# Altium PCB 1datalogger.PcbDoc (continued)
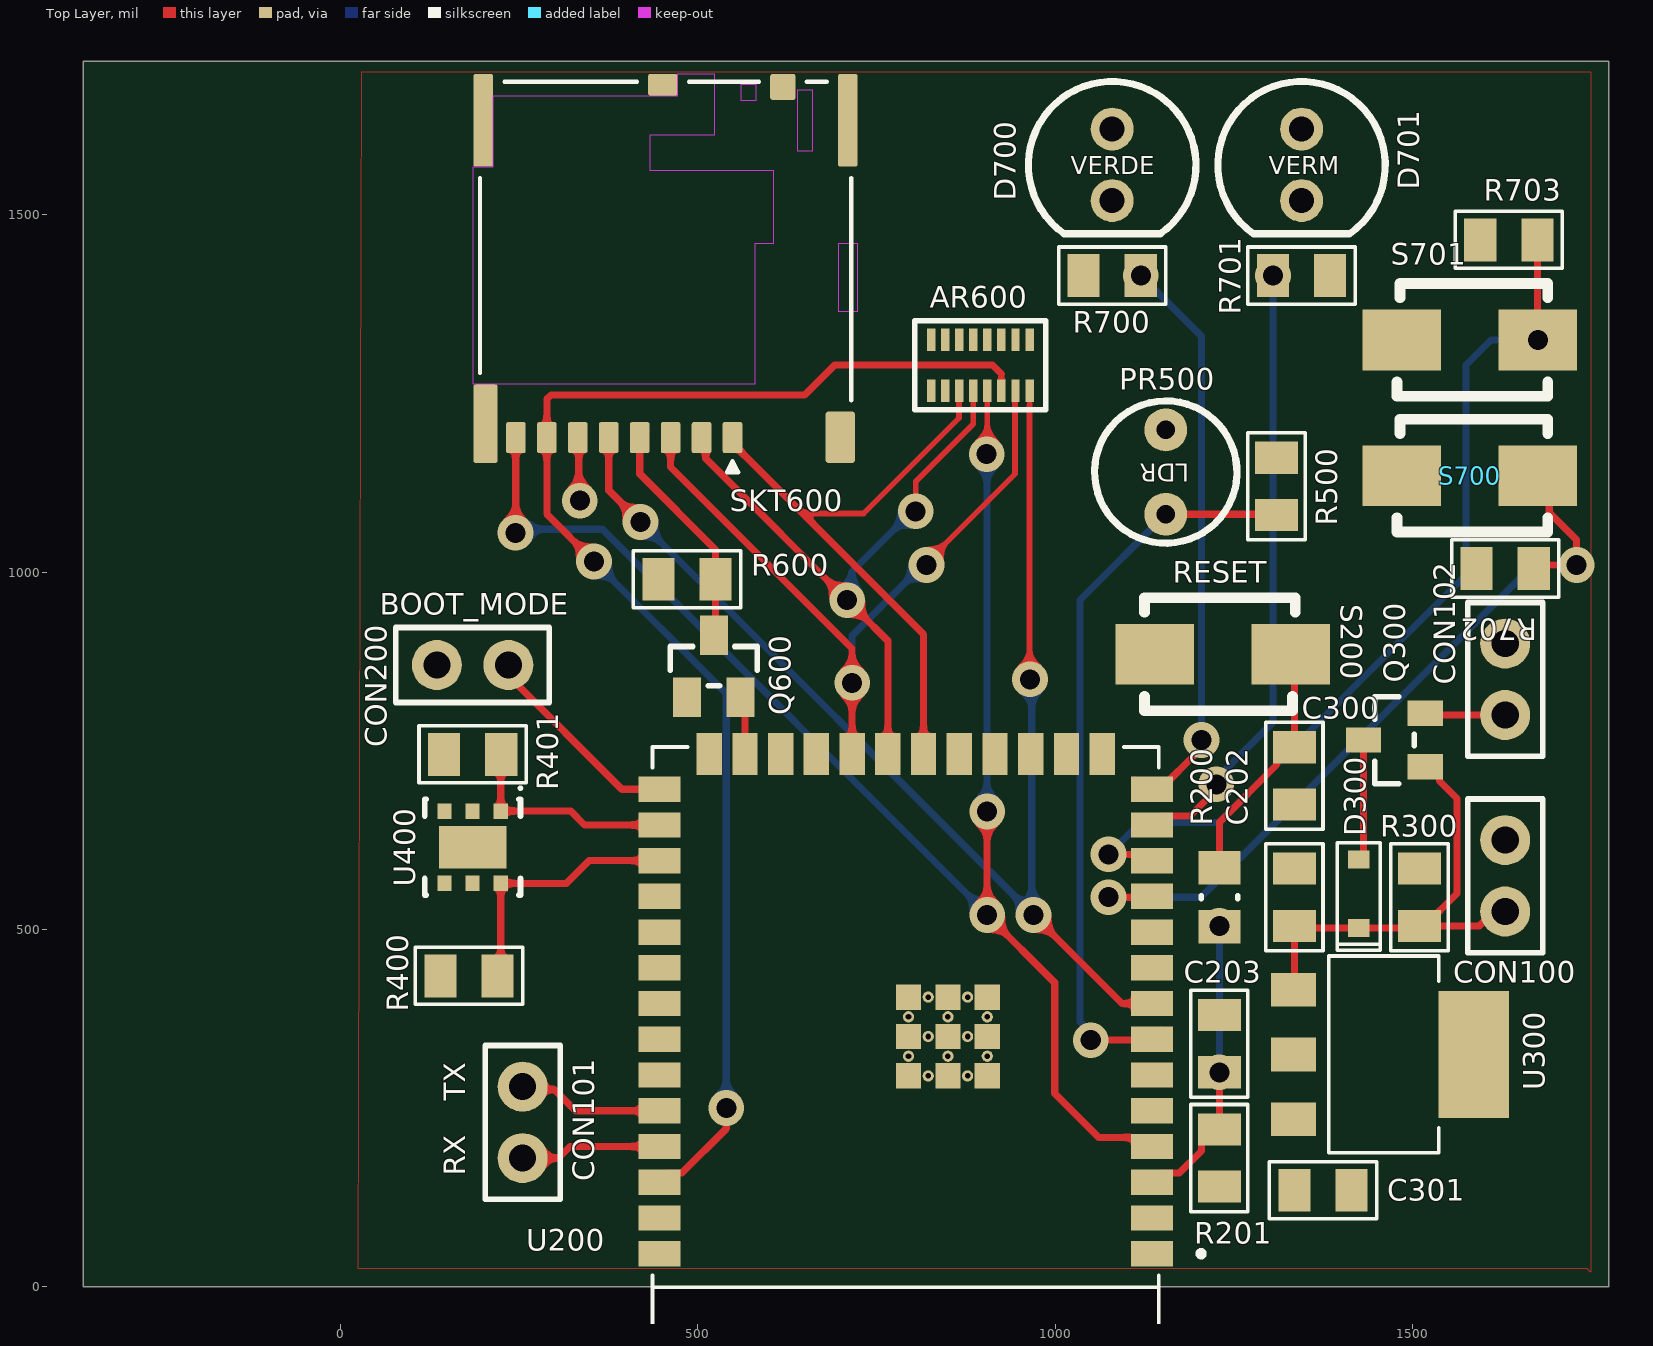
[diagram p0: Top Layer view]
## Part data (continued)
D700: library part CMP-008-000002-1, Color=Green, Current - Test=2mA, Manufacturer="Lite-On Inc.", Manufacturer Part Number=LTL2R3KGD-EM, Millicandela Rating=38mcd, Package / Case=Radial, Supplier Device Package="T-1 3/4", Voltage - Forward (Vf) (Typ)=1.8V, Category=Optoelectronics, ComponentLink1Description=http://media.digikey.com/pdf/Data%20Sheets/Lite-On%20PDFs/LTL2R3KGD-EM%20Preliminary.pdf, ComponentLink1URL=http://media.digikey.com/pdf/Data%20Sheets/Lite-On%20PDFs/LTL2R3KGD-EM%20Preliminary.pdf, Design Item ID="LED GRN DIFF 5MM ROUND T/H", Features=-, Height (Max)=8.70mm, Lens Color=Green, Lens Style/Size="Round with Domed Top, 5.00mm", Lens Transparency=Diffused, Mounting Type="Through Hole", Packaging=Bulk, Part Status=Active, Pricing 1="1=0.33, 10=0.24, 25=0.1772, 100=0.1265, 250=0.08604, 500=0.0759, 1000=0.05946, 2500=0.05819, 5000=0.0506 (USD)", RoHS="RoHS Compliant", Size / Dimension=-, Source=mits.SchLib, Stock 1=9370, Viewing Angle=30°, Wavelength - Dominant=570nm, Wavelength - Peak=568nm
D701: library part CMP-008-000003-1, "LED RED DIFFUSED T-1 3/4 T/H", Case/Package=Radial, Color=Red, Current=60mA, Current - Test=10mA, Forward Current=30mA, Forward Voltage=2V, Manufacturer="Lite-On Inc.", Manufacturer Part Number=LTL-4223, Max Operating Temperature=100°C, Max Power Dissipation=100mW, Millicandela Rating=19mcd, Min Operating Temperature=-55°C, Package Quantity=1000, Reverse Voltage=5V, Supplier Device Package="T-1 3/4", Voltage=3V, Category=Optoelectronics, ComponentLink1Description=http://media.digikey.com/pdf/Data%20Sheets/Lite-On%20PDFs/LTL-4223.pdf, ComponentLink1URL=http://media.digikey.com/pdf/Data%20Sheets/Lite-On%20PDFs/LTL-4223.pdf, ComponentLink2Description=https://datasheet.ciiva.com/2112/ltl-4223-2112280.pdf?src-supplier=Digi-Key, ComponentLink2URL=https://datasheet.ciiva.com/2112/ltl-4223-2112280.pdf?src-supplier=Digi-Key, ComponentLink3Description=https://datasheet.ciiva.com/16205/lite-on20ltl-4223-16205594.pdf?src-supplier=Future+Electronics, ComponentLink3URL=https://datasheet.ciiva.com/16205/lite-on20ltl-4223-16205594.pdf?src-supplier=Future+Electronics, ComponentLink4Description=https://datasheet.ciiva.com/19482/697602-19482428.pdf?src-supplier=Jameco, ComponentLink4URL=https://datasheet.ciiva.com/19482/697602-19482428.pdf?src-supplier=Jameco, Depth=5.6mm, Design Item ID="LED RED DIFF 5MM ROUND T/H", Diameter=5mm, Dominant Wavelength=623nm, Features=-, Height=8.6mm, Height (Max)=8.60mm, Illumination Color=Red, Lead Free="Lead Free", Length=5.6mm, Lens Color=Red, Lens Style=Dome,Diffused,Colored,Circular, Lens Style/Size="Round with Domed Top, 5mm (T-1 3/4), 5.00mm", Lens Transparency=Diffused, Luminous Intensity=19mcd, Mount="Through Hole", Mounting Type="Through Hole", Number of Elements=1, Number of LEDs=1, Number of Pins=2, Package / Case=Radial, Packaging=Bulk, Part Status=Active, Power Dissipation=100mW, Power Rating=100mW, Pricing 1="1=0.36, 10=0.262, 25=0.1932, 100=0.138, 250=0.09384, 500=0.0828, 1000=0.06486, 2500=0.06348, 5000=0.0552 (USD)", Pricing 2="1=0,12000, 10=0,08000, 100=0,07100, 1000=0,06400, 2500=0,05600, 10000=0,05000 (USD)", Radiation Hardening=No, RoHS="RoHS Compliant", Size / Dimension=-, Source=mits.SchLib, Stock 1=32305, Stock 2=9769, Test Current=10mA, Viewing Angle=36°, Voltage - Forward (Vf) (Typ)=2V, Wavelength=635nm, Wavelength - Dominant=623nm, Wavelength - Peak=635nm, Width=5.6mm
PR500: library part CMP-017-000003-1, "THROUGH HOLE PHOTORESISTORS ROHS", Manufacturer 1="JCHL(Shenzhen Jing Chuang He Li Tech)", Manufacturer Part Number 1=GL5506(4-7K), Design Item ID="LDR GL5506(4-7K) SMD", Source=mits.SchLib
Q300: "P-Channel 30 V 530 mA 1 Ohm Surface Mount Enhancement Mode Mosfet - SOT-23", Case/Package=SOT-23, Continuous Drain Current (ID)=530mA, Drain to Source Resistance=2R, Drain to Source Voltage (Vdss)=30V, Gate to Source Voltage (Vgs)=8V, Input Capacitance=76pF, Manufacturer=Diodes, Manufacturer Part Number=DMP31D0U-7, Max Operating Temperature=150°C, Max Power Dissipation=450mW, Min Operating Temperature=-55°C, Supplier Part Number 1=28AK8760, Category=MOSFETs, ComponentLink1Description=https://datasheet.ciiva.com/30023/dmp31d0u-30023794.pdf?src-supplier=Avnet, ComponentLink1URL=https://datasheet.ciiva.com/30023/dmp31d0u-30023794.pdf?src-supplier=Avnet, Element Configuration=Single, Fall Time=16.64ns, Height=1.1mm, Length=3mm, Mount="Surface Mount", Number of Pins=3, Packaging="Tape and Reel", Pricing 1="50=0,43400, 500=0,36900, 1250=0,32500, 5000=0,28200 (USD)", Radiation Hardening=No, Rds On Max=1R, Rise Time=5.85ns, RoHS=Yes, RoHS Compliant=Yes, Stock 1=11550, Supplier 1=Newark, Turn-Off Delay Time=35.71ns, Turn-On Delay Time=4.98ns, Width=1.4mm
Q600: library part CMP-013-00034-1, "Transistor Mosfet N-ch 60V 380MA 3-PIN SOT-23 T/r", Case/Package=SOT-23, Continuous Drain Current (ID)=380mA, Drain to Source Voltage (Vdss)=60V, Input Capacitance=32pF, Max Operating Temperature=150°C, Max Power Dissipation=380mW, Min Operating Temperature=-55°C, Mount="Surface Mount", Number of Pins=3, Packaging="Cut Tape", Rds On Max=2R, RoHS Compliant=Yes, Series=-
R200: library part CMP-009-00001-6, "Chip Resistor, 0 Ohm, +/- 1%, 125 mW, -55 to 155 degC, 0805 (2012 Metric)", Case/Package=0805, Max Operating Temperature=155°C, Min Operating Temperature=-55°C, Power=125mW, Tolerance=1%, Voltage Rating=150V, Mounting Technology=SM, Pins=2, RoHS Compliant=True
R201 R300 R500: library part CMP-018-000030-1, "RES 0805 10K Ohm 0.1% 1/10W  SMD", Case Code (Imperial)=0805, Case Code (Metric)=2012, Manufacturer="Panasonic Electronic Components", Manufacturer Part Number=ERJ-6ENF1002V, Max Operating Temperature=155°C, Max Power Dissipation=125mW, Min Operating Temperature=-55°C, Number of Resistors=1, Operating Temperature="-55°C ~ 155°C", Package / Case="0805 (2012 Metric)", Package Quantity=5000, Power (Watts)="0.125W, 1/8W", Resistance=10kR, Resistance (Ohms)=10k, Temperature Coefficient=±100ppm/°C, Tolerance=±1%, Voltage Rating=150V, Case/Package=0805, Category=Resistors, ComponentLink1Description=https://industrial.panasonic.com/cdbs/www-data/pdf/RDA0000/AOA0000C283.pdf, ComponentLink1URL=https://industrial.panasonic.com/cdbs/www-data/pdf/RDA0000/AOA0000C283.pdf, ComponentLink2Description=https://datasheet.ciiva.com/11808/0900766b80f80784-11808080.pdf?src-supplier=RSComponents, ComponentLink2URL=https://datasheet.ciiva.com/11808/0900766b80f80784-11808080.pdf?src-supplier=RSComponents, ComponentLink3Description=https://datasheet.ciiva.com/16514/aoa0000ce2-16514021.pdf?src-supplier=Avnet+Asia, ComponentLink3URL=https://datasheet.ciiva.com/16514/aoa0000ce2-16514021.pdf?src-supplier=Avnet+Asia, ComponentLink4Description=https://datasheet.ciiva.com/27055/1988971-27055733.pdf?src-supplier=Jameco, ComponentLink4URL=https://datasheet.ciiva.com/27055/1988971-27055733.pdf?src-supplier=Jameco, ComponentLink5Description=https://datasheet.ciiva.com/16759/70260748-16759350.pdf?src-supplier=Allied+Electronics, ComponentLink5URL=https://datasheet.ciiva.com/16759/70260748-16759350.pdf?src-supplier=Allied+Electronics, ComponentLink6Description=https://datasheet.ciiva.com/16725/70260748-16725031.pdf?src-supplier=Allied+Electronics, ComponentLink6URL=https://datasheet.ciiva.com/16725/70260748-16725031.pdf?src-supplier=Allied+Electronics, ComponentLink7Description=https://datasheet.ciiva.com/46372/1678782-46372714.pdf?src-supplier=Element14, ComponentLink7URL=https://datasheet.ciiva.com/46372/1678782-46372714.pdf?src-supplier=Element14, ComponentLink8Description=https://datasheet.ciiva.com/46372/1678782-46372715.pdf?src-supplier=Element14, ComponentLink8URL=https://datasheet.ciiva.com/46372/1678782-46372715.pdf?src-supplier=Element14, ComponentLink9Description=https://datasheet.ciiva.com/7830/426256-7830745.pdf?src-supplier=Element14, ComponentLink9URL=https://datasheet.ciiva.com/7830/426256-7830745.pdf?src-supplier=Element14, ComponentLink10Description=https://datasheet.ciiva.com/17212/aoa0000ce2-17212108.pdf?src-supplier=Avnet+Europe, ComponentLink10URL=https://datasheet.ciiva.com/17212/aoa0000ce2-17212108.pdf?src-supplier=Avnet+Europe, ComponentLink11Description=https://datasheet.ciiva.com/30140/aoa0000ce2-30140236.pdf?src-supplier=Onlinecomponents.com, ComponentLink11URL=https://datasheet.ciiva.com/30140/aoa0000ce2-30140236.pdf?src-supplier=Onlinecomponents.com, ComponentLink12Description=https://datasheet.ciiva.com/24070/aoa0000ce2-24070702.pdf?src-supplier=Mouser, ComponentLink12URL=https://datasheet.ciiva.com/24070/aoa0000ce2-24070702.pdf?src-supplier=Mouser, ComponentLink13Description=https://datasheet.ciiva.com/16723/70063741-16723029.pdf?src-supplier=Allied+Electronics, ComponentLink13URL=https://datasheet.ciiva.com/16723/70063741-16723029.pdf?src-supplier=Allied+Electronics, ComponentLink14Description=https://datasheet.ciiva.com/24440/eng-ds-1773270-l-24440188.pdf?src-supplier=Onlinecomponents.com, ComponentLink14URL=https://datasheet.ciiva.com/24440/eng-ds-1773270-l-24440188.pdf?src-supplier=Onlinecomponents.com, ComponentLink15Description=https://datasheet.ciiva.com/7731/eng-ds-1773270-l-7731311.pdf?src-supplier=Element14, ComponentLink15URL=https://datasheet.ciiva.com/7731/eng-ds-1773270-l-7731311.pdf?src-supplier=Element14, ComponentLink16Description=https://datasheet.ciiva.com/14181/jcrn73-data-e-14181423.pdf?src-supplier=Distrelec, ComponentLink16URL=https://datasheet.ciiva.com/14181/jcrn73-data-e-14181423.pdf?src-supplier=Distrelec, Composition="Thick Film", Contact Plating=Tin, Depth=1.25mm, Design Item ID="RES 10K OHM 1% 1/8W 0805 SMD", ELV=Compliant, Failure Rate=-, Features="Automotive AEC-Q200", Height=0.6mm, Height - Seated (Max)="0.028\" (0.70mm)", Lead Free="Lead Free", Length=2mm, Military Standard=Not, Mount="Surface Mount", Number of Pins=2, Number of Terminations=2, Packaging="Cut Tape (CT)", Part Status=Active, Power Rating=125mW, Pricing 1="1=0.1, 10=0.036, 25=0.0264, 50=0.02, 100=0.0148, 250=0.01124, 500=0.009, 1000=0.00663 (USD)", Pricing 2="1=1,68000, 10=1,48900, 100=1,13720, 1000=0,73645 (USD)", Radiation Hardening=No, REACH SVHC="No SVHC", RoHS="RoHS Compliant", Size / Dimension="0.079\" L x 0.049\" W (2.00mm x 1.25mm)", Source=mits.SchLib, Stock 1=2392770, Stock 2=1650, Supplier Device Package=0805, Termination=SMD/SMT, Voltage Rating (DC)=150V, Width=0.049inch, Working Voltage=150V
R400 R401: library part CMP-018-000099-1, "RES SMD 10.5K OHM 0.1% 1/8W 0805", Manufacturer="Panasonic Electronic Components", Manufacturer Part Number=ERA-6AEB1052V, Operating Temperature="-55°C ~ 155°C", Package / Case="0805 (2012 Metric)", Power (Watts)="0.125W, 1/8W", Resistance (Ohms)=10.5k, Supplier Device Package=0805, Temperature Coefficient=±25ppm/°C, Tolerance=±0.1%, Category=Resistors, ComponentLink1Description=http://media.digikey.com/pdf/Data%20Sheets/Panasonic%20Electronic%20Components/ERA%201A,2A,3A,6A,8A.pdf, ComponentLink1URL=http://media.digikey.com/pdf/Data%20Sheets/Panasonic%20Electronic%20Components/ERA%201A,2A,3A,6A,8A.pdf, Composition="Thin Film", Design Item ID="RES 10K5 OHM 0.1% 1/8W 0805 SMD", Features="Automotive AEC-Q200", Height="0.024\" (0.60mm)", Number of Terminations=2, Packaging="Cut Tape (CT)", Part Status=Active, Pricing 1="1=0.63, 50=0.2494, 100=0.1924, 250=0.14964, 500=0.10546, 1000=0.07695 (USD)", RoHS="RoHS Compliant", Size / Dimension="0.079\" L x 0.049\" W (2.00mm x 1.25mm)", Source=mits.SchLib, Stock 1=1614
R600: library part CMP-018-000007-3, "RES SMD 100 OHM 1% 1/8W 0805", Manufacturer="Panasonic Electronic Components", Manufacturer Part Number=ERJ-6ENF1000V, Operating Temperature="-55°C ~ 155°C", Package / Case="0805 (2012 Metric)", Power (Watts)="0.125W, 1/8W", Resistance (Ohms)=100, Supplier Device Package=0805, Temperature Coefficient=±100ppm/°C, Tolerance=±1%, Category=Resistors, ComponentLink1Description=http://industrial.panasonic.com/www-cgi/jvcr13pz.cgi?E+PZ+3+AOA0002+ERJ6ENF1000V+7+WW, ComponentLink1URL=http://industrial.panasonic.com/www-cgi/jvcr13pz.cgi?E+PZ+3+AOA0002+ERJ6ENF1000V+7+WW, Composition="Thick Film", Design Item ID="RES 100R 1/8W 1% 0805 SMD", Failure Rate=-, Features="Automotive AEC-Q200", Height="0.028\" (0.70mm)", Number of Terminations=2, Packaging="Cut Tape (CT)", Part Status=Active, Pricing 1="1=0.1, 50=0.022, 100=0.0162, 250=0.01236, 500=0.0099, 1000=0.00729 (USD)", RoHS="RoHS Compliant", Size / Dimension="0.079\" L x 0.049\" W (2.00mm x 1.25mm)", Source=mits.SchLib, Stock 1=816047
R700 R701: library part CMP-018-000057-1, "RES SMD 220 OHM 5% 1/8W 0805", Manufacturer="Panasonic Electronic Components", Manufacturer 2="UNI-ROYAL(Uniroyal Elec)", Manufacturer Part Number=ERJ-6GEYJ221V, Manufacturer Part Number 2=0805W8F2200T5E, Operating Temperature="-55°C ~ 155°C", Package / Case="0805 (2012 Metric)", Power (Watts)="0.125W, 1/8W", Resistance (Ohms)=220, Supplier Device Package=0805, Temperature Coefficient=±200ppm/°C, Tolerance=±5%, Category=Resistors, ComponentLink1Description=http://industrial.panasonic.com/www-cgi/jvcr13pz.cgi?E+PZ+3+AOA0001+ERJ6GEYJ221V+7+WW, ComponentLink1URL=http://industrial.panasonic.com/www-cgi/jvcr13pz.cgi?E+PZ+3+AOA0001+ERJ6GEYJ221V+7+WW, Composition="Thick Film", Design Item ID="RES 220R OHM 5% 1/8W 0805 SMD", Failure Rate=-, Features="Automotive AEC-Q200", Height - Seated (Max)="0.028\" (0.70mm)", Packaging="Cut Tape (CT)", Part Status=Active, Pricing 1="1=0.1, 10=0.025, 25=0.018, 50=0.0136, 100=0.01, 250=0.00764, 500=0.00612, 1000=0.00451 (USD)", Pricing 2=0.0034, RoHS="RoHS Compliant", Size / Dimension="0.079\" L x 0.049\" W (2.00mm x 1.25mm)", Source=mits.SchLib, Stock 1=118007
R702 R703: library part CMP-018-000026-1, "RES SMD 1K OHM 1% 1/8W 0805", Case Code (Imperial)=0805, Case Code (Metric)=2012, Manufacturer=Yageo, Manufacturer Part Number=RC0805FR-071KL, Max Operating Temperature=155°C, Max Power Dissipation=125mW, Min Operating Temperature=-55°C, Package Quantity=1, Resistance=1kR, Temperature Coefficient=100ppm/°C, Tolerance=1%, Voltage Rating=150V, Case/Package=0805, Category="Chip SMD Resistors", ComponentLink1Description=http://media.digikey.com/pdf/Data%20Sheets/Rohm%20PDFs/MCR10%20(new)%20series.pdf, ComponentLink1URL=http://media.digikey.com/pdf/Data%20Sheets/Rohm%20PDFs/MCR10%20(new)%20series.pdf, ComponentLink2Description=https://datasheet.ciiva.com/2456/pyu-r-int-thick-7-2456976.pdf?src-supplier=Digi-Key, ComponentLink2URL=https://datasheet.ciiva.com/2456/pyu-r-int-thick-7-2456976.pdf?src-supplier=Digi-Key, ComponentLink3Description=https://datasheet.ciiva.com/2456/pyu-r-int-thick-7-2456977.pdf?src-supplier=Digi-Key, ComponentLink3URL=https://datasheet.ciiva.com/2456/pyu-r-int-thick-7-2456977.pdf?src-supplier=Digi-Key, ComponentLink4Description=https://datasheet.ciiva.com/7941/1686128-7941719.pdf?src-supplier=Element14, ComponentLink4URL=https://datasheet.ciiva.com/7941/1686128-7941719.pdf?src-supplier=Element14, ComponentLink5Description=https://datasheet.ciiva.com/16850/rc0805-16850409.pdf?src-supplier=Future+Electronics, ComponentLink5URL=https://datasheet.ciiva.com/16850/rc0805-16850409.pdf?src-supplier=Future+Electronics, ComponentLink6Description=https://datasheet.ciiva.com/46385/444164-46385020.pdf?src-supplier=Element14, ComponentLink6URL=https://datasheet.ciiva.com/46385/444164-46385020.pdf?src-supplier=Element14, ComponentLink7Description=https://datasheet.ciiva.com/2456/pyu-r-int-thick-7-2456975.pdf?src-supplier=Digi-Key, ComponentLink7URL=https://datasheet.ciiva.com/2456/pyu-r-int-thick-7-2456975.pdf?src-supplier=Digi-Key, Composition="Thick Film", Depth=1.25mm, Design Item ID="RES 1K OHM 1% 1/8W 0805 SMD", Features="Moisture Resistant", Height=0.024inch, Lead Free="Lead Free", Length=0.079inch, Military Standard=Not, Number of Pins=2, Number of Terminations=2, Packaging="Tape and Reel", Power Rating=125mW, Pricing 1="1=0,10000, 10=0,04000, 100=0,01630, 1000=0,00731, 2500=0,00635 (USD)", REACH SVHC=Unknown, RoHS=Yes, Source=mits.SchLib, Stock 1=24108233, Termination=SMD/SMT, Voltage Rating (DC)=150V, Width=0.049inch
S200 S700 S701: library part CMP-019-000011-1, "Switch Tactile N.O. SPST Rectangular Button J-Lead 0.05A 12VDC 2.55N SMD T/R", Current Rating=50mA, Manufacturer=E-Switch, Manufacturer Part Number=TL3302BF260QJ, Max Operating Temperature=70°C, Min Operating Temperature=-20°C, Operating Force=260gf, Package Quantity=1, Voltage Rating (DC)=12V, Actuator Material=Polyphenylene, Category="Tactile Switches", ComponentLink1Description=https://datasheet.ciiva.com/2900/p020333b-2900880.pdf?src-supplier=Digi-Key, ComponentLink1URL=https://datasheet.ciiva.com/2900/p020333b-2900880.pdf?src-supplier=Digi-Key, Contact Plating=Silver, Design Item ID="SWITCH TACTILE SPST-NO 0.05A 12V SMD", Illumination Type=Non-Illuminated, Lead Free="Lead Free", Mechanical Life=30000Cycles, Mount="Surface Mount", Packaging="Tape and Reel", Pricing 1="1=0,82000, 10=0,79300, 25=0,74120, 100=0,64360, 250=0,58564, 500=0,54294 (USD)", RoHS=Yes, RoHS Compliant=Yes, Series=TL3302, Size=11.4mm, Source=mits.SchLib, Stock 1=19576, Switch Function=Off-Mom, Switch Travel=0.25mm, Termination="Gull Wing", Throw Configuration=SPST
SKT600: library part CMP-002-00049-3, "Micro SD Card Connector, Pitch 1.1 mm, 8 Position, Height 1.4 mm, -25 to 85 degC, RoHS, Tape and Reel", Pins=14
SW100: library part 4AAA_battery_holder, "Enclosure; Accessory; Battery Holder; Polypropylene; 26ga. 6in Leads; 4-AA", Color=Black, Manufacturer="Bud Industries", Manufacturer Part Number=HH-3633, Package Quantity=1, Supplier Part Number 1=34M2187, Body Material=Polypropylene, Category="Batteries and Accessories", ComponentLink1Description=https://datasheet.ciiva.com/4628/hb3633-36618-4628665.pdf?src-supplier=Mouser, ComponentLink1URL=https://datasheet.ciiva.com/4628/hb3633-36618-4628665.pdf?src-supplier=Mouser, ComponentLink2Description=https://datasheet.ciiva.com/16495/hb3633-16495410.pdf?src-supplier=Future+Electronics, ComponentLink2URL=https://datasheet.ciiva.com/16495/hb3633-16495410.pdf?src-supplier=Future+Electronics, ComponentLink3Description=https://datasheet.ciiva.com/1438/1807993-1438161.pdf?src-supplier=Newark, ComponentLink3URL=https://datasheet.ciiva.com/1438/1807993-1438161.pdf?src-supplier=Newark, Lead Free="Lead Free", Material=PP,Polypropylene, Mount=Chassis, Number of Batteries=4, Number of Cells=4, Pricing 1="1=3,20000, 10=3,07000, 25=2,94000, 50=2,80000, 100=2,67000, 250=2,40000 (USD)", REACH SVHC=Unknown, RoHS=Yes, Stock 1=555, Supplier 1=Newark, Termination="Wire Leads", Weight=0.43oz
U200: library part "IC ESP32 S3 WROOM-1_v2", "SMD Module, ESP32-S3R2 With 2 mb", Manufacturer="Espressif Systems", Manufacturer Part Number=ESP32-S3-WROOM-1-N8R2, Package=Package, Supplier Part Number 1=1965-ESP32-S3-WROOM-1-N8R2-ND, Availability="Not in stock", Category=Uncategorized, Check_prices=https://www.snapeda.com/parts/ESP32-S3-WROOM-1U/Espressif+Systems/view-part/?ref=eda, MF="Espressif Systems", Price=None, Pricing 1="1=3,63000 (USD)", RoHS=No, SnapEDA_Link=https://www.snapeda.com/parts/ESP32-S3-WROOM-1U/Espressif+Systems/view-part/?ref=snap, Stock 1=659, Supplier 1=Digi-Key
U300: "IC REG LDO 3.3V 1A SOT223", Case/Package=TO-261-4, Dropout Voltage=450mV, Manufacturer=Diodes, Manufacturer Part Number=AP2114HA-3.3TRG1, Max Input Voltage=6V, Max Operating Temperature=85°C, Max Output Current=1A, Min Input Voltage=2.5V, Min Operating Temperature=-40°C, Output Voltage=3.3V, Package Quantity=4000, Quiescent Current=90uA, Supplier Part Number 1=AP2114HA-3.3TRG1DICT-ND, Accuracy=1.5%, Category="Voltage Regulators - Linear", ComponentLink1Description=https://datasheet.ciiva.com/29568/ap2114-29568886.pdf?src-supplier=Digi-Key, ComponentLink1URL=https://datasheet.ciiva.com/29568/ap2114-29568886.pdf?src-supplier=Digi-Key, Contact Plating=Tin, Mount="Surface Mount", Number of Outputs=1, Number of Pins=3, Number of Regulators=1, Output Current=1A, Output Type=Fixed, Packaging="Tape and Reel", Polarity=Positive, Pricing 1="1=0,39000, 10=0,31700, 25=0,29000, 100=0,21570, 250=0,19552, 500=0,16180, 1000=0,12135 (USD)", RoHS=Yes, RoHS Compliant=Yes, Stock 1=1890, Supplier 1=Digi-Key
U400: library part CMP-023-000042-1, "SENSOR HUMI/TEMP 3.3V I2C 4% SMD", Manufacturer 1="Texas Instruments", Manufacturer Part Number 1=HDC1080DMBR, Max Operating Temperature=125°C, Max Supply Voltage=5.5V, Min Operating Temperature=-40°C, Min Supply Voltage=2.7V, Accuracy=2%, Category="Integrated Circuits (ICs)", ComponentLink1Description=http://www.ti.com/lit/ds/symlink/hdc1080.pdf?src-supplier=Digi-Key, ComponentLink1URL=http://www.ti.com/lit/ds/symlink/hdc1080.pdf?src-supplier=Digi-Key, ComponentLink2Description=http://www.ti.com/general/docs/suppproductinfo.tsp?distId=10&amp;gotoUrl=http%3A%2F%2Fwww.ti.com%2Flit%2Fgpn%2Fhdc1080&src-supplier=Digi-Key, ComponentLink2URL=http://www.ti.com/general/docs/suppproductinfo.tsp?distId=10&amp;gotoUrl=http%3A%2F%2Fwww.ti.com%2Flit%2Fgpn%2Fhdc1080&src-supplier=Digi-Key, ComponentLink3Description=http://www.ti.com/lit/ds/symlink/hdc1080.pdf?src-supplier=Avnet+Asia, ComponentLink3URL=http://www.ti.com/lit/ds/symlink/hdc1080.pdf?src-supplier=Avnet+Asia, Contact Plating=Gold, Design Item ID="IC HDC1080 TEMP/HUMID SENSOR 6-PWSON", Interface=I2C, Lead Free="Lead Free", Mount="Surface Mount", Output Type=I2C,Voltage, Pricing 1="1=2,81800, 10=2,40190, 30=2,29790, 100=2,16440, 500=2,10100, 1000=2,08970, 1=2,69760, 10=2,29930, 30=2,19960, 100=2,07190, 500=2,01120, 1000=2,00040, 1=14,08600, 10=12,00600, 30=11,48590, 100=10,81860, 500=10,50210, 1000=10,44560, 1=13,56590, 10=11,56280, 30=11,06190, 100=10,41920, 500=10,11440, 1000=10,06000, 1=1,82390, 10=1,55460, 30=1,48720, 100=1,40080, 500=1,35990, 1000=1,35250, 1=1,55080, 10=1,32180, 30=1,26460, 100=1,19110, 500=1,15630, 1000=1,15000, 1=16,67800, 10=14,21530, 30=13,59950, 100=12,80940, 500=12,43460, 1000=12,36770, 1=237,44120, 10=202,38070, 30=193,61280, 100=182,36520, 500=177,02920, 1000=176,07710, 1=8,88030, 10=7,56900, 30=7,24110, 100=6,82040, 500=6,62090, 1000=6,58530, 1=163,93950, 10=139,73230, 30=133,67860, 100=125,91270, 500=122,22850, 1000=121,57110, 1=18,70970, 10=15,94710, 30=15,25620, 100=14,36990, 500=13,94940, 1000=13,87440, 1=2,88620, 10=2,46000, 30=2,35340, 100=2,21670, 500=2,15180, 1000=2,14030, 1=2,14480, 10=1,82810, 30=1,74890, 100=1,64730, 500=1,59910, 1000=1,59050 (AUD)", Response Time=15s, RoHS=Yes, RoHS Compliant=Yes, Sensor Type=Temperature, Source=mits.SchLib, Stock 1=72

## Via types
v1: diameter 50, hole 28, Top Layer to Bottom Layer, 25 vias

## Nets (pads, with @x,y where several pads share a name; then routed paths per layer and width w, separated by ;. In a path a pad name is that pad's centre, name@x,y a point inside that pad or via, vN(x,y) a via of type N, cw(c..) or ccw(c..) an arc to the next point about the centre after c; other vN are vias at no path point)
3V3: AR600.9 AR600.10 AR600.11 AR600.12 AR600.13 AR600.14 C301.2 PR500.1 R201.2 R400.2 R401.2 R600.2 S700.2 S701.2 U200.2 U300.3 U400.5
3V3_SD: Q600.3 R600.1 SKT600.4 | length 333.9
  Top Layer w10: SKT600.4@427.56,1196.93 SKT600.4 418.78,1137.61 525,1031.39 R600.1 525,914.02 Q600.3
3V3BAT: D300.A Q300.3 | length 169.8
  Top Layer w10: D300.A 1431.69,604.69 Q300.3
BT1: R703.1 S701.1 U200.12 | length 1275.6
  Top Layer w10: v1(1075,605) 1126.73,605 U200.12 ; R703.1 1675,1325.55 v1(1675.55,1325)
  Bottom Layer w10: v1(1075,605) 1119.59,649.59 1228.85,649.59 1575,995.75 1575,1290 1610,1325 v1(1675.55,1325)
BT2: R702.2 S700.1 U200.11 | length 1111.8
  Top Layer w10: v1(1075,545) 1117.09,545 U200.11@1125.92,553.83 ; R702.2 1675,1010 v1(1730,1010) 1730,1045 1691.66,1083.34 1691.66,1118.89 S700.1
  Bottom Layer w10: v1(1075,545) 1204.29,545 1669.29,1010 v1(1730,1010)
CLK: AR600.8 SKT600.5 U200.8 | length 1864.3
  Top Layer w8: AR600.8 964.47,1254.03 964.47,1232.71 964.37,1232.61 964.37,850.63 v1(965,850)
  Top Layer w10: SKT600.5 375.47,1114.53 v1(420,1070) ; v1(970,520) 1093.82,396.18 U200.8
  Bottom Layer w10: v1(420,1070) v1@967.5,522.5 ; v1(965,850) 967.5,847.5 v1@967.5,522.5 ; v1(970,520) v1@967.5,522.5
CMD: AR600.7 SKT600.3 U200.22 | length 1054.7
  Top Layer w8: v1@820,1013.43 944.06,1137.49 944.06,1253.5 AR600.7
  Top Layer w10: SKT600.3 462.09,1147.09 716.06,893.11 v1(716.06,845) U200.22 ; v1(820,1010) v1@820,1013.43
  Bottom Layer w10: v1(716.06,845) 716.06,911.06 815,1010 v1(820,1010)
D0: AR600.6 SKT600.7 U200.38 | length 1933.9
  Top Layer w8: AR600.6 925,1277.32
  Top Layer w10: v1(355,1015) 288.86,1081.14 SKT600.7 288.86,1242.09 294.72,1247.95 649.67,1247.95 691.72,1290 912.32,1290 925,1277.32 ; U200.38 459.29,158.9 477.75,158.9 540,221.15 v1(540,250)
  Bottom Layer w10: v1(355,1015) 540,830 v1(540,250)
D1: AR600.5 SKT600.8 U200.4 | length 2210.3
  Top Layer w8: v1(904.37,1165) 905.32,1165.95 AR600.5
  Top Layer w10: v1(245,1055) 245.28,1055.28 245.28,1187.87 SKT600.8 ; v1(905,665) v1(905,520) 999.69,425.31 999.69,270.31 1061.1,208.9 1122.83,208.9 U200.4
  Bottom Layer w10: v1(245,1055) 250,1060 366.57,1060 905,521.57 v1(905,520) ; v1(904.37,1165) 904.68,1164.68 904.68,665.32 v1(905,665)
D2: AR600.3 SKT600.1 U200.20 | length 865.8
  Top Layer w8: 646.85,1082.13 732.13,1082.13 865.63,1215.63 AR600.3@865.63,1253.82
  Top Layer w10: SKT600.1 548.7,1180.28 646.85,1082.13 816.06,912.91 U200.20
D3: AR600.4 SKT600.2 U200.21 | length 920.1
  Top Layer w8: v1(805,1085) 805,1126.72 885.63,1207.35 AR600.4
  Top Layer w10: SKT600.2 511.14,1182.41 511.14,1158.86 725,945 766.06,903.94 U200.21
  Bottom Layer w10: v1(709.22,960.78) 715.78,967.35 715.78,1000.78 800,1085 v1(805,1085)
ENABLE: C203.2 R200.2 R201.1 U200.3 | length 417.3
  Top Layer w10: U200.3 1148.27,158.9 1173.9,158.9 1205,190 1205,202.5 1222.5,220 R201.1 v1(1230,300)
  Bottom Layer w10: v1(1230,300) v1(1230,505)
GND: C202.1 C203.1 C300.1 C301.1 CON100.1 CON102.1 CON200.1 D700.K D701.K Q600.1 R300.1 R500.1 R702.1 R703.2 S200.1 SKT600.6 SW100.2 U200.1 U200.40 U200.41[1...9] U300.2 U400.2 | length 89.3
  Top Layer w10: SKT600.6 333.58,1186.73 333.58,1101.42 v1(335,1100)
GPIO0: CON200.2 U200.27 | length 292.4
  Top Layer w10: CON200.2 235,855 393.82,696.18 U200.27
GRN: R700.2 U200.14 | length 827
  Top Layer w10: U200.14@1111.02,708.9 1123.74,696.18 U200.14 1147.36,696.18 1200,748.82 1200,760 v1(1205,765) ; R700.2@1120,1407.5 v1(1120,1415)
  Bottom Layer w10: v1(1120,1415) 1205,1330 v1(1205,765)
LDR_DATA: PR500.2 R500.2 U200.7 | length 1051.3
  Top Layer w10: v1(1050,345) 1134.37,345 U200.7 U200.7@1148.27,358.9 ; PR500.2 1309.06,1080.94 R500.2
  Bottom Layer w10: v1(1050,345) 1050,355.82 1035,370.82 1035,960.94 PR500.2
NetC202_2: C202.2 R200.1 S200.2 | length 348.6
  Top Layer w10: R200.1 1230,650 1310,730 1310,737.5 1327.5,755 C202.2 1335,880 S200.2
NetD700_A: D700.A R700.1
NetD701_A: D701.A R701.1
RED: R701.2 U200.13 | length 862.8
  Top Layer w10: U200.13 1148.27,658.9 1188.9,658.9 1225.78,695.78 v1(1225.78,703.1)
  Bottom Layer w10: v1(1225.78,703.1) 1225.78,710.78 1305,790 v1(1305,1415)
RXD0: CON101.2 U200.37 | length 198.3
  Top Layer w10: CON101.2 305,180 321.18,196.18 U200.37
SCL_SENSOR: R400.1 U200.29 U400.6 | length 366.6
  Top Layer w10: R400.1 224.37,439.37 U400.6 316.1,564.41 347.87,596.18 U200.29
SD_EN: Q600.2 U200.25 | length 82.1
  Top Layer w10: Q600.2 566.06,818.94 U200.25
SDA_SENSOR: R401.1 U200.28 U400.1 | length 309.9
  Top Layer w10: R401.1 224.37,744.37 U400.1 322.28,665.59 341.69,646.18 U200.28
TCK: U200.32
TDI: U200.34
TDO: U200.33
TMS: U200.35
TXD0: CON101.1 U200.36 | length 205.6
  Top Layer w10: CON101.1 259.14,275.86 299.14,275.86 328.82,246.18 U200.36
VCC_BAT: CON102.2 Q300.2 SW100.1 | length 112.7
  Top Layer w10: Q300.2 1520.71,800 CON102.2
VCC_EXTERNAL: C300.2 CON100.2 D300.K Q300.1 R300.2 U300.1 | length 659.4
  Top Layer w10: U300.1 1335,416.54 C300.2 1338,502 D300.K 1507,502 R300.2 R300.2@1517.5,505 ; Q300.1 1525.39,727.6 1538.11,714.88 1538.11,707.8 1562.65,683.26 1562.65,550.15 R300.2@1517.5,505 ; CON100.2 1614.14,525 1594.14,505 R300.2@1517.5,505
pads on no net: AR600.1 AR600.2 AR600.15 AR600.16 SKT600.9 SKT600.10 SKT600.11 SKT600.12 SKT600.13 SKT600.14 SW100. U200.5 U200.6 U200.9 U200.10 U200.15 U200.16 U200.17 U200.18 U200.19 U200.23 U200.24 U200.26 U200.30 U200.31 U200.39 U400.3 U400.4 U400.7

## Polygon pours and split planes (outlines as drawn)
GND on Top Layer "NONET_L01_P000" (solid, remove dead copper, shelved, pour order 0): 30.15,1700 1750,1700 1750,20 1745,25 25,25
GND on Bottom Layer "NONET_L02_P001" (solid, shelved, pour order 1): 30,1650 1750,1650 1750,20 1745,25 25,25

## Silkscreen, mask and mechanical layers (free items; w line width, h text height)
Top Overlay:
  text "RESET" at 1165,985 h30
  text "BOOT_MODE" at 55,940 h30
  text "TX" at 175,260 h30 r90
  text "RX" at 175,155 h30 r90
  text "GND" at 1850,-335 h30 r270
  text "VCC" at 1850,-460 h30 r270
  text "BAT" at 1850,-620 h30 r270
  text "GND" at 1850,-730 h30 r270
Mechanical 1:
  the board outline again, w10

## Text inside footprints (layer, text, board x,y; h text height)
D700: Top Overlay "VERDE" at 1021.69,1556.96 h25
D701: Top Overlay "VERM" at 1299.34,1556.96 h25
PR500: Top Overlay "LDR" at 1188.07,1151.81 h25 r180